# Altium PCB Pleiades_PP.PcbDoc (part 6 of 15)
Units mil, origin at the board's own origin, x right, y up, seen from the top; angles counter-clockwise.
Board outline 12244.09 x 4515.28 mil, 12 copper layers (TOP, GND1, IN1, GND2, POW1, GND3, POW2, GND4, GND5, IN2, GND6, BOT), stack 63.546 mil thick; 1447 components, 738 nets, 4532 pads, 3316 vias.
Unrouted connection lines stored in the file: 499.
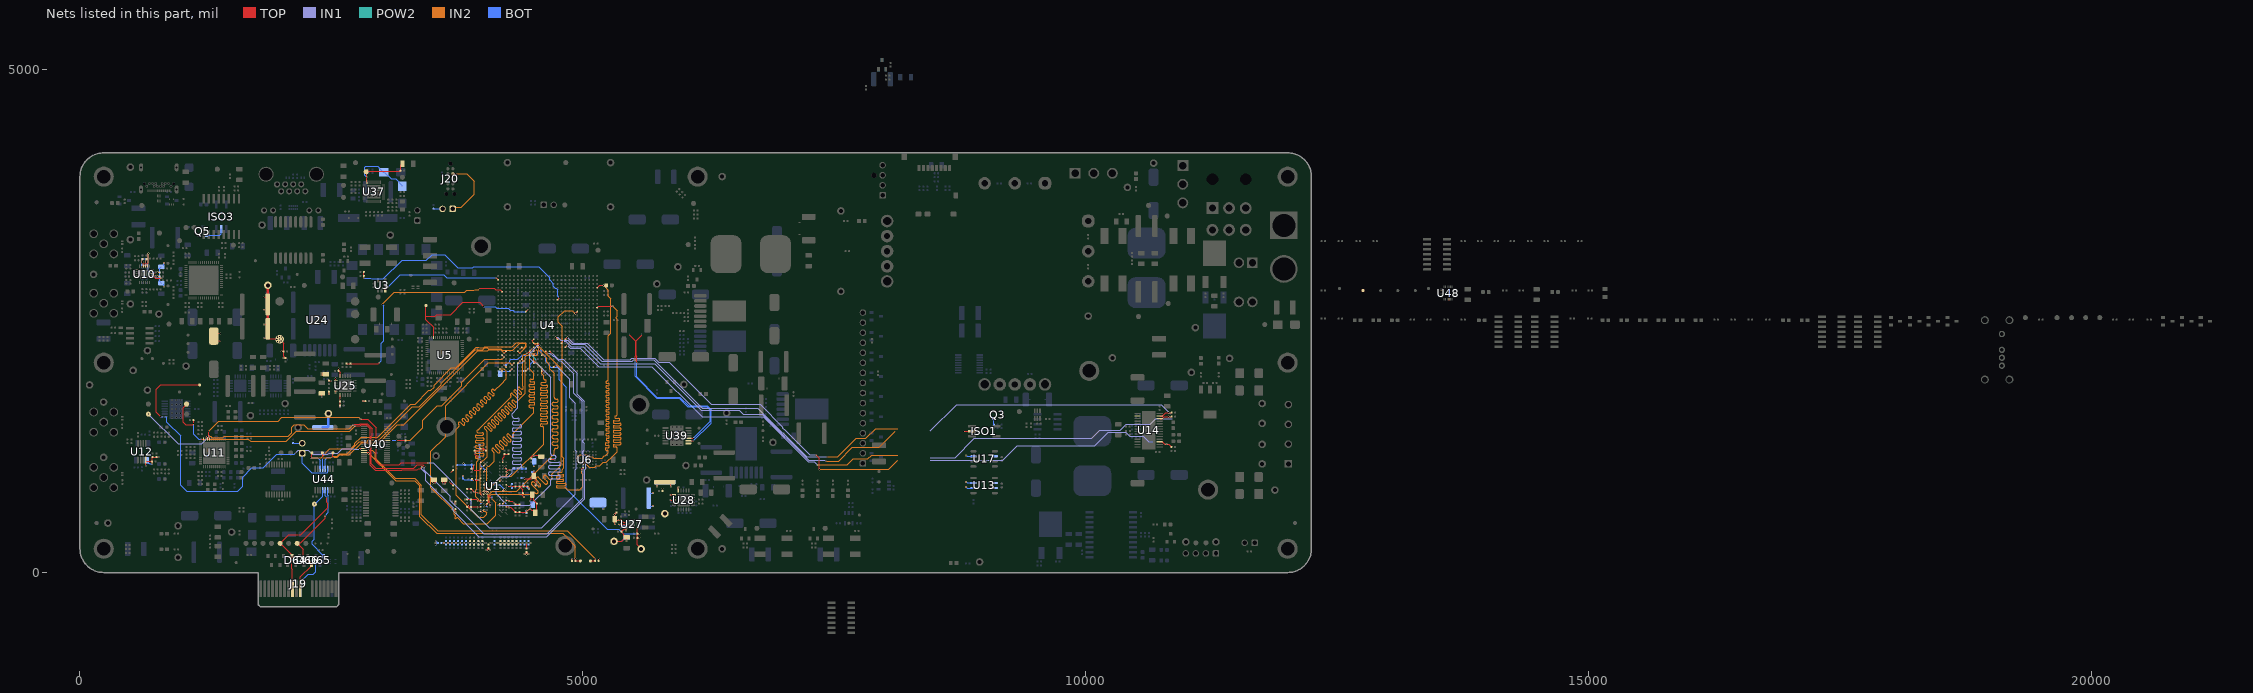
[diagram p16: the nets of this part, all layers, seen from the top]

## Via types
v1: diameter 12/18/18/18/18/18/18/18/18/18/18/12 (per signal layer), hole 6, TOP to BOT, 2739 vias
v2: diameter 20, hole 10, TOP to BOT, 363 vias
v3: diameter 19.68, hole 7.87, TOP to BOT, 110 vias
v4: diameter 40, hole 20, TOP to BOT, 36 vias
v5: diameter 25, hole 12, TOP to BOT, 32 vias
v6: diameter 22, hole 12, TOP to BOT, 27 vias
v7: diameter 19.68, hole 11.81, TOP to BOT, 9 vias

## Nets (pads, with @x,y where several pads share a name; then routed paths per layer and width w, separated by ;. In a path a pad name is that pad's centre, name@x,y a point inside that pad or via, vN(x,y) a via of type N, cw(c..) or ccw(c..) an arc to the next point about the centre after c; other vN are vias at no path point) (continued)
+VDDR: C5.1 C6.1 C7.1 C8.1 C9.1 C10.1 C11.1 C12.1 C13.1 C14.1 C15.1 C16.1 C17.1 C18.1 C19.1 C20.1 C21.1 C22.1 C23.1 C24.1 C25.1 C26.1 C27.1 C28.1 C29.1 C30.1 C31.1 C32.1 C33.1 C34.1 C35.1 C36.1 C37.1 C38.1 C39.1 C40.1 C41.1 C42.1 C43.1 C44.1 C45.1 C46.1 C47.1 C48.1 C49.1 C50.1 C51.1 C52.1 C53.1 C54.1 C55.1 C56.1 C57.1 C58.1 C59.1 C60.1 C61.1 C62.1 C63.1 C64.1 C65.1 C66.1 C87.2 C89.2 C90.2 C143.1 C144.1 C145.1 C146.1 C441.1 C442.1 C451.1 C452.1 C453.1 C454.1 R229.1 R321.1 TP92.1 U1.A1 U1.A8 U1.B2 U1.C1 U1.C9 U1.D2 U1.D9 U1.E9 U1.F1 U1.G7 U1.H2 U1.H9 U1.K2 U1.K8 U1.N1 U1.N9 U1.R1 U1.R9 U4.D2 U4.F4 U4.H2 U4.J6 U4.K4 U4.M2 U27.2 U28.1 U28.3 U28.20 | length 6065.8
  TOP w8.89: v1(3924.2,1188.78) 3924.79,1188.18 3924.79,1176.22 v1(3984.25,1116.76) U1.A1@3984.25,1094.49 ; v1(3956.22,788.46) 3963.03,795.28 v1@3998.56,795.28 ; v1@3956.31,647.01 3962.85,653.54 U1.R1@3984.25,653.54 ; v1@3956.31,710 3962.85,716.54 U1.N1@3984.25,716.54 ; v1(3968.5,921.26) U1.F1@3984.25,937.01 ; v1(4000,795.28) U1.K2@4015.75,811.02 ; U1.H2@4015.75,874.02 v1(4031.5,889.76) ; U1.D2@4015.75,1000 v1(4031.5,1015.75) ; U1.B2@4015.75,1062.99 v1(4031.5,1078.74) ; v1(4040,225) 4040.59,225.59 4043.09,225.59 C89.2@4060,242.5 4060.3,242.5 4077.21,225.59 4079.41,225.59 v1(4080,225) ; U1.G7@4173.23,905.51 v1(4188.98,921.26) ; U1.K8@4204.72,811.02 v1(4220.47,826.77) ; U1.A8@4204.72,1094.49 v1(4204.72,1116.76) ; v1(4220.47,1047.24) U1.C9@4236.22,1031.5 ; U1.R9@4236.22,653.54 4257.62,653.54 v1@4264.16,647.01 ; U1.N9@4236.22,716.54 4257.62,716.54 4264.16,710 v1(4265,710) 4297.5,710 v1(4314.09,693.41) ; U1.H9@4236.22,874.02 v1(4251.97,858.27) 4285.2,858.27 4286.93,860 v1(4287.78,860) 4288.62,860 4291.12,857.5 C21.1@4330,857.5 ; U1.E9@4236.22,968.5 v1(4251.97,984.25) ; U1.D9@4236.22,1000 4256.22,1020 v1(4280,1020) ; v1(4265,647.01) 4285.49,647.01 C29.1@4330,602.5 4332.5,600 4437.5,600 C31.1@4440,597.5 ; U4.D2@4275.59,2003.94 v1(4295.28,2023.62) ; U4.F4@4354.33,2082.68 v1(4374.02,2102.36) ; U4.H2@4433.07,2003.94 v1(4452.76,2023.62) ; U4.J6@4474.53,2161.42 v1(4494.22,2181.1) ; U4.K4@4511.81,2082.68 v1(4531.5,2102.36) ; U4.M2@4590.55,2003.94 v1(4610.24,1984.25)
  TOP w10: v1(3506.58,884.68) C59.1@3506.58,907.18 ; v1(3532.79,882.18) C59.1@3532.79,904.68 ; v1(3608.33,882.5) C25.1@3608.33,905 ; v1(3625,880) 3625,880.54 3629.33,884.87 3629.33,904.07 3629.94,904.68 C25.1@3640,904.68 ; v1(3682.5,902.95) 3682.88,902.56 3682.88,894.62 C26.1@3710,867.5 ; v1(3686.04,1001.58) 3686.43,1001.96 3694.46,1001.96 C58.1@3710,1017.5 ; C24.1@3732.5,630 3732.5,605 v1(3740,597.5) ; v1(3732.5,682.5) C10.1@3732.5,705 ; v1(3827.5,727.5) C9.1@3850,727.5 C8.1@3890,727.5 3937.97,727.5 v1(3955.47,710) ; C27.1@3850,832.5 C28.1@3890,832.5 3922.12,800.38 3922.74,800.38 v1(3923.12,800) 3944.14,800 3955.68,788.46 v1(3956.22,788.46) ; v1(3871.09,668.6) 3870.71,668.21 3865.71,668.21 C23.1@3850,652.5 C22.1@3890,652.5 3949.44,652.5 3954.93,647.01 v1(3955.47,647.01) ; C55.1@3895,1032.5 v1(3910.91,1016.59) ; C50.1@3895.52,931.05 3908.64,917.93 3920.54,917.93 v1(3920.92,917.55) ; v1(3917.5,1072.5) 3917.5,1023.72 3910.91,1017.13 v1(3910.91,1016.59) ; v1@3920.92,916.62 3921.84,917.55 3964.25,917.55 3967.96,921.26 v1(3968.5,921.26) ; v1(3924.2,1188.78) C5.1@3924.2,1211.28 3958.78,1211.28 C36.1@3980,1232.5 4015,1232.5 C39.1@4035,1212.5 ; v1(4000,1047.24) 3969.35,1016.59 v1(3910.91,1016.59) ; v1(4060,220) C89.2@4060,242.5 ; v1(4204.72,1116.76) 4205.11,1117.14 4205.11,1137.61 4220,1152.5 C48.1@4220,1177.5 C49.1@4260,1177.5 ; v1(4314.09,693.41) C15.1@4330,677.5 C16.1@4369.42,677.5 ; C21.1@4330,857.5 C20.1@4370,857.5 ; v1(4414.17,751.6) 4414.17,752.14 4402.5,763.8 C17.1@4402.5,790 4402.5,825 C20.1@4370,857.5 ; v1(4417.57,934.36) 4417.95,934.74 4495.04,934.74 C11.1@4512,951.71 ; v1(4420,185) 4420.38,185.38 4422.88,185.38 C90.2@4440,202.5 ; v1(4440,180) C90.2@4440,202.5 ; C31.1@4440,597.5 v1(4440,620) 4440.38,620.38 4459.08,620.38 v1(4474.74,636.04) 4474.99,636.04 4489.71,621.32 4510.04,621.32 4527,604.35 C18.1@4527,595 4540.5,608.5 4540.5,683 C19.1@4542.5,685 4510.22,717.28 4510.22,761.78 C45.1@4497,775 4485.5,763.5 4485.5,726.26 4473.19,713.95 v1(4473.19,713.41) ; v1(4460,185) 4459.62,185.38 4457.12,185.38 C90.2@4440,202.5 ; v1(4465.46,830.51) 4465.46,831.05 4466.43,832.02 4466.43,841.07 C65.1@4450,857.5 C64.1@4410,857.5 C20.1@4370,857.5 ; C47.1@4490,1132.5 4490,1153.78 4499.61,1163.39 4514.87,1163.39 v1(4515.26,1163.77) 4574.23,1163.77 C46.1@4585,1153 ; C11.1@4512,960 C11.1@4512,951.71 ; C11.1@4517.46,987.01 v1(4517.46,1009.51) ; C44.1@4527.5,865 4532.5,870 4532.5,884.08 4542.5,894.08 v1(4542.5,894.62) 4524.66,912.46 4524.66,939.05 C11.1@4512,951.71 ; C66.1@4680,1127.5 4711.56,1127.5 4719.51,1119.55 v1(4720.05,1119.55) ; R321.1@4891.52,115 v1(4891.52,137.5) ; C441.1@5315.26,555.77 v1(5315.26,578.27) v1(5315.26,578.27) 5335.12,598.2 R229.1@5335.12,598.27 ; v1(5318.12,480.77) C441.1@5318.12,503.27 ; C441.1@5318.12,530.77 5328.12,520.77 v1(5357.62,520.77) C442.1@5380.12,520.77 5400.43,500.45 U27.2@5430,500.45 ; v1(5737.95,855.81) 5737.95,881.12 5754.98,898.14 C452.1@5815,898.14 5857.98,898.14 5875,881.12 v1(5875,855.81) ; C454.1@5792.5,810.14 v1(5792.5,832.64) ; v1(5868.19,720.65) U28.3@5890.69,720.65 ; v1(5868.19,771.83) U28.1@5890.69,771.83 ; U28.20@5950,827.24 v1(5950,849.74)
  POW2 w8.89: v1(4494.22,2181.1) 4494.22,2160 4531.5,2122.72 v1(4531.5,2102.36)
  BOT w8.89: v1(3984.25,1116.76) 3984.25,1094.27 3983.55,1093.57 3983.55,1063.69 v1(4000,1047.24) ; C57.1@4017.63,872.37 4017.63,875.05 4031.5,888.92 v1(4031.5,889.76) ; v1(4031.5,1015.75) v1(4000,1047.24) ; v1(4031.5,1078.74) v1(4000,1047.24) ; C34.1@4107.59,887.41 4107.79,887.41 4120.21,875 4172.24,875 v1(4220.47,826.77) ; C144.1@4178,1975 4178,1983.22 4195.47,2000.7 4272.35,2000.7 v1(4295.28,2023.62) ; C146.1@4411.2,2003.94 4433.07,2003.94 v1(4452.76,2023.62) 4475.68,2046.55 4475.68,2069.8 4508.24,2102.36 v1(4531.5,2102.36) ; C145.1@4472.44,2183.29 4474.03,2181.7 4493.62,2181.7 v1(4494.22,2181.1)
  BOT w10: v1(3535,295) C87.2@3557.5,295 ; v1(3537.5,277.5) 3537.88,277.88 3540.38,277.88 C87.2@3557.5,295 ; v1(3537.5,312.5) 3537.88,312.12 3540.38,312.12 C87.2@3557.5,295 ; C38.1@3750,1067.5 3752.5,1070 C53.1@3827.5,1070 ; v1(3807.5,959.51) C52.1@3807.5,937.01 3822.01,922.5 C51.1@3895,922.5 3899.57,917.93 3920.54,917.93 v1(3920.92,917.55) ; v1(3814.09,1083.41) C53.1@3827.5,1070 ; C53.1@3830,1067.5 C53.1@3827.5,1070 ; v1(3910.91,1016.59) C54.1@3895,1032.5 C37.1@3895,1072.5 ; v1(3917.5,1072.5) C37.1@3895,1072.5 ; v1@3920.92,918.17 3921.16,917.93 3935.43,917.93 C56.1@3940,922.5 ; v1(3972.5,1127.5) C41.1@3972.5,1150 C40.1@3972.5,1190 C7.1@3972.5,1230 C6.1@3972.5,1270 ; C43.1@4297.5,840 4292.5,845 4292.5,854.73 4287.78,859.46 v1(4287.78,860) 4288.16,860.38 4288.16,870.66 C42.1@4297.5,880 ; C14.1@4315,1032.5 C13.1@4355,1032.5 C63.1@4395,1032.5 ; C12.1@4387.5,940 4411.39,940 4417.03,934.36 v1(4417.57,934.36) ; C35.1@4407.5,880 4456.61,830.89 4465.08,830.89 v1(4465.46,830.51) ; v1(4410.91,1048.41) C63.1@4395,1032.5 ; C62.1@4435,1032.5 C63.1@4395,1032.5 ; C33.1@4437.5,590 4439.62,592.12 4439.62,619.62 v1(4440,620) 4458.7,620 v1@4474.35,635.66 ; v1(4473.19,713.41) C32.1@4489.1,697.5 ; v1(4474.74,636.04) C32.1@4490.65,651.95 ; C61.1@4495,997.5 4500,1002.5 4509.9,1002.5 4516.92,1009.51 v1(4517.46,1009.51) ; v1(4513.62,1057.24) 4514,1057.63 4514,1074.3 C60.1@4514.98,1075.29 ; v1(5101.75,629.45) C143.1@5101.75,651.95 ; v1(5205,631.04) C143.1@5205,653.54 ; C453.1@5675,660.14 v1(5697.5,660.14) ; C453.1@5675,790 v1(5697.5,790) ; v1(5737.95,855.81) C451.1@5737.95,878.31 ; v1(5875,855.81) C451.1@5875,878.31 ; C53.1@3827.5,1070 3892.5,1070 C37.1@3895,1072.5
+VDDR_VOLT_25: R321.2 TP128.1 U40.14 | length 2867.2
  TOP w10: U40.14@2822.28,1195.24 2822.78,1194.74 2859.72,1194.74 2869.46,1185 v1(2870,1185) ; v1(4926.52,137.5) R321.2@4926.52,115 TP128.1@4975,115
  IN2 w5: v1(2870,1185) 3140,915 3327.34,915 3380.49,861.85 3380.49,554.51 3545,390 4800,390 4926.52,263.48 v1(4926.52,137.5)
+VREF_DDR: C149.1 C430.1 C431.1 TP87.1 U4.C3 U4.L8 U27.6 | length 3217.5
  TOP w8.89: v1(4216.54,2062.99) U4.C3@4236.22,2043.31 ; U4.L8@4551.18,2240.16 v1(4570.87,2220.47)
  TOP w10: U27.6@5540.24,441.4 5540.24,274.9 TP87.1@5580,235.14 ; C430.1@5542.62,345.77 v1(5565.12,345.77) ; C431.1@5542.62,385.77 v1(5565.12,385.77)
  BOT w8.89: v1(4216.54,2062.99) 4217.13,2063.59 4234.63,2063.59 C149.1@4236.22,2065.18 4254.19,2083.14 4259.94,2083.14 4272.35,2095.55 4272.35,2107.35 4285,2120 4355,2120 4396.29,2161.29 4534.95,2161.29 4554.29,2180.64 4554.29,2203.9 v1(4570.87,2220.47) 4587.44,2203.9 4587.44,2180.64 4603.42,2164.66 4610.57,2164.66 4633.16,2142.06 4633.16,2102.69 4666.05,2069.8 4666.05,2053.95 4679.93,2040.07 4744.93,2040.07 4765,2020 4765,1915 4836.05,1843.95 4836.05,833.58 5240.03,429.6 5350.53,429.6 5350.81,429.32 5355.68,429.32 5399.77,385.23 5564.58,385.23 v1(5565.12,385.77)
+VTT: C67.1 C68.1 C69.1 C70.1 C71.1 C72.1 C73.1 C74.1 C75.1 C76.1 C77.1 C78.1 C79.1 C80.1 C81.1 C82.1 C83.1 C84.1 C85.1 C86.1 C87.1 C88.1 C89.1 C90.1 C91.1 C92.1 C93.2 C94.1 C95.1 C96.1 C97.1 C98.1 C446.1 C447.1 C448.1 C449.1 C450.1 R15.2 R16.2 R17.2 R18.2 R19.2 R20.2 R21.2 R22.2 R23.2 R24.2 R25.2 R26.2 R27.2 R28.2 R29.2 R30.2 R31.2 R32.2 R34.2 R35.2 R36.2 R38.2 R39.2 R40.2 R41.2 R43.2 R44.2 R322.1 TP90.1 U27.3 U27.5 | length 713.4
  TOP w10: C90.1@4440,237.5 v1(4440,295) ; R322.1@5157.5,115 v1(5157.5,137.5) ; TP90.1@5310,310 5386.35,310 5425.12,348.77 C448.1@5425.39,348.77 ; v1(5357.62,480.77) C450.1@5380.12,480.77 U27.3@5430,480.77 ; v1(5430,418.9) U27.5@5430,441.4 5423.46,441.4 5408.01,425.95 5402.8,425.95 C449.1@5382.62,405.77 5408.43,379.96 5408.43,365.73 C448.1@5425.39,348.77 ; v1(5435,312.5) C448.1@5435,335 ; C448.1@5435.12,348.77 C448.1@5425.39,348.77
  BOT w10: TP90.1@5310,310 5387.54,310 5408.43,330.89 5408.43,331.81 5425.39,348.77 C447.1@5435.12,348.77 5435,348.65 v1(5435,312.5) ; v1(5357.62,480.77) 5358.16,480.77 5363.12,475.81 5397.08,475.81 C446.1@5410.12,462.77
  other v1: 3620,295 3660,295 3700,295 3740,295 3780,295 3820,295 3860,295 3900,295 3940,295 3980,295 4020,295 4040,295 4080,295 4100,295 4140,295 4160,295 4200,295 4240,295 4280,295 4320,295 4360,295 4400,295 4480,295
+VTT_VOLT_25: R322.2 TP129.1 U40.13 | length 3018.6
  TOP w10: U40.13@2822.28,1214.93 v1(2866.37,1214.93) ; TP129.1@5075,115 R322.2@5122.5,115 v1(5122.5,137.5)
  IN2 w5: v1(2866.37,1214.93) 2905.07,1214.93 2935,1185 2935,1135 3135,935 3330,935 3395,870 3395,575 3555,415 4845,415 v1(5122.5,137.5)
-5V0A: C247.1 C248.1 C249.1 C250.1 C251.1 C252.1 C253.1 C263.1 C264.1 C265.1 C266.1 C267.1 C268.1 C269.1 C335.1 C336.1 C337.1 C338.1 C412.1 C425.1 C426.1 C427.1 C428.1 R218.1 TP85.1 U10.15 U10.16 U10.21 U10.22 U12.4 U25.1 U25.20 | length 1648
  TOP w10: C251.1@620,3117.5 v1(620,3095) v1(620,3080) 620,3079.46 629.09,3070.36 629.09,3046.77 U10.22@630.16,3045.71 ; U10.21@649.84,3045.71 650.91,3046.77 650.91,3070.36 660,3079.46 v1(660,3080) v1(660,3095) C250.1@660,3117.5 ; U12.4@653.39,1118.31 653.39,1107.66 656.04,1105 C338.1@717.5,1105 ; v1(655,1062.5) U12.4@655,1085 ; v1(717.5,1082.5) C338.1@717.5,1105 ; U10.15@720.71,2955.16 721.77,2954.09 745.36,2954.09 754.46,2945 v1(755,2945) v1(770,2945) C266.1@792.5,2945 ; U10.16@720.71,2974.84 721.77,2975.91 745.36,2975.91 754.46,2985 v1(755,2985) v1(770,2985) C267.1@792.5,2985 ; v1(782.5,1147.5) C336.1@760,1147.5 C337.1@720,1147.5 718.75,1146.25 718.75,1106.25 C338.1@717.5,1105 ; v1(2403.49,1744.91) C426.1@2403.49,1767.41 ; v1(2475,1775) C427.1@2475,1797.5 ; v1(2542.02,1783.74) U25.20@2542.02,1806.24 ; U25.1@2585.33,1762.93 2585.33,1725.21 2587.5,1723.04 v1(2587.5,1722.5) C428.1@2587.5,1700 C412.1@2587.5,1660 v1(2587.5,1637.5)
  BOT w10: v1(655,1062.5) 655,1107 C335.1@663,1115 663,1105.27 679.96,1088.31 689.69,1088.31 695.5,1082.5 v1(717.5,1082.5) ; C263.1@810,2878 809.46,2878 792.5,2894.96 C264.1@792.5,2945 ; C247.1@810,3042 809.46,3042 792.5,3025.04 C265.1@792.5,2985 ; v1(835,2842.5) C263.1@835,2865 ; C247.1@835,3055 v1(835,3077.5) ; v1(2587.5,1637.5) R218.1@2587.5,1660 ; C264.1@792.5,2945 C265.1@792.5,2985 ; C264.1@792.5,2945 v1(770,2945) v1(755,2945) C268.1@732.5,2945 C269.1@732.5,2985 v1(755,2985) v1(770,2985) C265.1@792.5,2985 ; C253.1@620,3057.5 C252.1@660,3057.5 v1(660,3080) v1(660,3095) C249.1@660,3117.5 C248.1@620,3117.5 v1(620,3095) v1(620,3080) C253.1@620,3057.5
  BOT w25: C425.1@2415,1442 2460,1442 2470,1452 TP85.1@2470,1580
-5V0A_EN: R217.2 R219.1 U4.B22 | length 2204
  TOP w6: v1(3970,2816.5) 3971.62,2816.5 3980.12,2825 4120,2825 4135,2810 4178.19,2810 U4.B22@4196.85,2791.34
  TOP w10: R217.2@2650,2077.5 2966.96,2077.5 2974.46,2085 v1(2975,2085)
  IN2 w6: v1(3005,2665) 3125,2785 3825,2785 3845.53,2805.53 3914.7,2805.53 3922.68,2813.5 3967,2813.5 v1(3970,2816.5)
  BOT w6: v1(2975,2085) 2996.04,2106.04 2996.04,2281.35 3018.8,2304.11 3018.8,2651.2 v1(3005,2665)
-6V: C417.1 C418.1 C419.1 C420.1 C421.1 C422.1 C423.1 C424.1 R318.2 TP83.1 U24.5 U25.15 U25.16 | length 1226.1
  TOP w10: C417.1@1372.5,2305 v1(1395,2305) ; C417.1@1372.5,2377.41 v1(1395,2377.41) ; v1(1827.27,2736.26) C418.1@1849.77,2736.26 ; v1(1830.99,2335) C419.1@1853.49,2335 ; v1(1830.99,2467.41) C419.1@1853.49,2467.41 ; v1(1830.99,2612.25) C418.1@1853.49,2612.25 ; C419.1@1867,2425 1867,2343.9 1884.02,2326.88 1978.13,2326.88 v1(1985,2320) 1985,2318.68 2025,2278.68 C421.1@2025,2200 ; v1(2002.5,2200) C421.1@2025,2200 ; v1(2022.5,2132.5) C420.1@2045,2132.5 2025,2152.5 C421.1@2025,2200 ; v1(2400.99,1964.91) C422.1@2423.49,1964.91 ; v1(2400.99,1982.41) C422.1@2423.49,1982.41 ; C424.1@2475,1907.5 v1(2497.5,1907.5) ; U25.16@2542.02,1908.6 v1(2542.02,1931.1) ; C423.1@2572.5,2005 v1(2572.5,2027.5) ; v1(2814.5,1705) R318.2@2837,1705
  TOP w12: C423.1@2572.5,2005 2585.33,1992.17 U25.15@2585.33,1951.91
  TOP w25: C419.1@1867,2425 C418.1@1867,2665 1867.44,2665.44 1867.44,2855.56 TP83.1@1867.87,2856
  other v1: 1985,2290.4 1965,2298.68 2001.56,2303.44 1956.72,2318.68 2013.28,2320 1965,2339.34 2005,2340 1985,2348.28
-6V0_CURR_25: TP125.1 U39.8 U40.12 | length 3628.9
  TOP w10: v1(802.5,1550) 760,1592.5 760,1820 805,1865 TP125.1@1190,1865 ; v1(2780,1225) 2780.54,1225 2789.65,1234.11 2821.78,1234.11 U40.12@2822.28,1234.61
  IN1 w5: v1(2145,1190) 2170.5,1215.5 2272,1215.5 2312.5,1175 2465.55,1175 2476.52,1185.98 2563.58,1185.98 2606.84,1229.24 2720.24,1229.24 2724.48,1225 v1(2780,1225)
  BOT w10: v1(802.5,1550) 825,1550 ; 842.63,1550.23 861.03,1550.23 864.03,1547.23 864.03,1495.97 1000,1360 1000,870 1060.5,809.5 1347.04,809.5 1348.54,808 1567.14,808 1618.57,859.43 1618.57,948.57 1710,1040 1823.75,1040 1958.75,1175 2130,1175 v1(2145,1190)
-6V_EN: R214.2 R215.1 U4.T20 | length 2388.9
  TOP w8.89: U4.T20@4748.03,2712.6 v1(4767.72,2732.28)
  TOP w10: v1(2822.5,2927.5) R214.2@2822.5,2950 R215.1@2822.5,2990
  BOT w10: v1(2822.5,2927.5) 2893.04,2927.5 2900.04,2920.5 3017.77,2920.5 3202.27,3105 3444.03,3105 3500.12,3161.09 3626.45,3161.09 3757.54,3030 3903.46,3030 3912.96,3039.5 4563.28,3039.5 4670,2932.78 4670,2908.74 4705.98,2872.76 4705.98,2848.72 4726.67,2828.02 4735.39,2828.02 4750.72,2812.7 4750.72,2749.28 v1(4767.72,2732.28)
-6V_SHUNT_19_+: NT43.2 U39.9 | length 1721.4
  TOP w5: v1(5536.97,2088.03) 5536.97,2149.53 5531.5,2155 5531.5,2304.54 5586,2359.04 5586,2361.54
  TOP w10: U39.9@6077.31,1308.82 v1(6099.81,1308.82)
  BOT w5: v1(5536.97,2088.03) 5536.97,1944.34 5736.31,1745 5965,1745 6052.5,1657.5 6237.5,1657.5 6275.93,1619.07 6275.93,1484.94 v1(6099.81,1308.82)
-6V_SHUNT_19_-: NT42.2 U39.10 | length 1696.7
  TOP w5: 5466,2361.54 5466,2359.04 5523.5,2301.54 5523.5,2155 5520,2151.5 v1(5520,2105)
  TOP w10: U39.10@6077.31,1334.41 v1(6099.81,1334.41)
  BOT w5: v1(5520,2105) 5520,1950 5735,1735 5960,1735 6045,1650 6048.69,1650 6049.19,1649.5 6234.19,1649.5 6267.93,1615.76 6267.93,1502.53 v1(6099.81,1334.41)
\CAS: NT8.2 U1.K3 U4.K6 | length 2899.4
  TOP w8.89: v1(4031.5,795.28) U1.K3@4047.24,811.02 NT8.2@4058.27,800 ; U4.K6@4511.81,2161.42 v1(4531.5,2181.1)
  IN2 w5.75: v1(4031.5,795.28) 4031.5,872.97 4043.37,884.84 4043.37,1044.42 4058.07,1059.12 4069.12,1059.12 4117.02,1107.01 4117.02,1181.29 4117.02,1185.36 ccw(c4095.03,1185.36) 4110.53,1200.94 4098.2,1213.28 cw(c4107.31,1222.38) 4098.2,1231.49 cw(c4107.31,1222.38) 4116.41,1231.49 4154.77,1193.13 ccw(c4163.88,1202.24) 4172.98,1193.13 ccw(c4163.88,1202.24) 4172.98,1211.34 4134.62,1249.7 cw(c4143.73,1258.8) 4134.62,1267.91 cw(c4143.73,1258.8) 4152.84,1267.91 4191.19,1229.55 ccw(c4200.3,1238.66) 4209.4,1229.55 ccw(c4200.3,1238.66) 4209.4,1247.76 4171.05,1286.12 cw(c4180.15,1295.23) 4171.05,1304.33 cw(c4180.15,1295.23) 4189.26,1304.33 4227.62,1265.97 ccw(c4236.72,1275.08) 4245.83,1265.97 ccw(c4236.72,1275.08) 4245.83,1284.19 4207.47,1322.54 cw(c4216.58,1331.65) 4207.47,1340.75 cw(c4216.58,1331.65) 4225.68,1340.75 4264.04,1302.4 ccw(c4273.14,1311.5) 4282.25,1302.4 ccw(c4273.14,1311.5) 4282.25,1320.61 4246.98,1355.88 cw(c4256.09,1364.98) 4246.98,1374.09 cw(c4256.09,1364.98) 4265.19,1374.09 4290.39,1348.89 ccw(c4299.49,1358) 4308.6,1348.89 ccw(c4299.49,1358) 4308.6,1367.1 cw(c4317.7,1376.21) 4308.6,1385.31 4457.79,1534.51 4513.62,1590.33 4513.62,1624.48 4513.62,1627.36 ccw(c4500.74,1627.36) 4500.74,1640.24 4476.79,1640.24 cw(c4476.79,1653.11) 4476.79,1665.99 4510.26,1665.99 ccw(c4510.26,1678.87) 4510.26,1691.75 4476.79,1691.75 cw(c4476.79,1704.62) 4476.79,1717.5 4510.26,1717.5 ccw(c4510.26,1730.38) 4510.26,1743.25 4476.79,1743.25 cw(c4476.79,1756.13) 4476.79,1769.01 4510.26,1769.01 ccw(c4510.26,1781.89) 4510.26,1794.76 4476.79,1794.76 cw(c4476.79,1807.64) 4476.79,1820.52 4510.26,1820.52 ccw(c4510.26,1833.4) 4510.26,1846.27 4476.79,1846.27 cw(c4476.79,1859.15) 4476.79,1872.03 4510.26,1872.03 ccw(c4510.26,1884.91) 4510.26,1897.78 4484.59,1897.78 cw(c4484.59,1910.66) 4484.59,1923.54 4500.74,1923.54 ccw(c4500.74,1936.41) 4513.62,1936.41 4513.62,1975.08 4513.62,1981.38 4474.25,2020.75 4474.25,2145.77 4491.71,2163.23 4501.62,2163.23 4517.55,2179.16 4529.55,2179.16 v1(4531.5,2181.1)
\CE: R63.2 U4.AF23 U6.B4 | length 2896.1
  TOP w5.95: U6.B4@4940.51,1137.99 v1(4956.26,1153.74)
  TOP w8.89: U4.AF23@5141.73,2830.71 5166.02,2855 R63.2@5231.46,2855
  IN2 w3.68: v1(4956.26,1153.74) 4973.1,1170.58 5039.42,1170.58 5060,1150 5095,1150 5108.1,1136.9 5190.88,1136.9 5212.89,1158.91 5221.24,1158.91 5253.16,1190.83 5253.16,1204.1 5253.16,1205.94 ccw(c5241.32,1205.94) 5241.32,1217.77 5232.42,1217.77 cw(c5232.42,1229.61) 5232.42,1241.45 5251.48,1241.45 ccw(c5251.48,1253.29) 5251.48,1265.13 5232.42,1265.13 cw(c5232.42,1276.97) 5232.42,1288.8 5249.81,1288.8 ccw(c5249.81,1300.64) 5249.81,1312.48 5242.22,1312.48 cw(c5242.22,1324.32) 5242.22,1336.16 5251.48,1336.16 ccw(c5251.48,1348) 5251.48,1359.84 5240.55,1359.84 cw(c5240.55,1371.67) 5240.55,1383.51 5251.48,1383.51 ccw(c5251.48,1395.35) 5251.48,1407.19 5240.84,1407.19 cw(c5240.84,1419.03) 5240.84,1430.87 5251.48,1430.87 ccw(c5251.48,1442.71) 5251.48,1454.54 5240.55,1454.54 cw(c5240.55,1466.38) 5240.55,1478.22 5250.02,1478.22 ccw(c5250.02,1490.06) 5250.02,1501.9 5240.55,1501.9 cw(c5240.55,1513.74) 5240.55,1525.57 5251.48,1525.57 ccw(c5251.48,1537.41) 5251.48,1549.25 5240.55,1549.25 cw(c5240.55,1561.09) 5240.55,1572.93 5251.48,1572.93 ccw(c5251.48,1584.77) 5251.48,1596.61 5240.55,1596.61 cw(c5240.55,1608.44) 5240.55,1620.28 5250.02,1620.28 ccw(c5250.02,1632.12) 5250.02,1643.96 5240.55,1643.96 cw(c5240.55,1655.8) 5240.55,1667.64 5251.48,1667.64 ccw(c5251.48,1679.48) 5251.48,1691.31 5240.55,1691.31 cw(c5240.55,1703.15) 5240.55,1714.99 5251.48,1714.99 ccw(c5251.48,1726.83) 5251.48,1738.67 5240.55,1738.67 cw(c5240.55,1750.51) 5240.55,1762.34 5251.48,1762.34 ccw(c5251.48,1774.18) 5251.48,1786.02 5240.55,1786.02 cw(c5240.55,1797.86) 5240.55,1809.7 5250.11,1809.7 ccw(c5250.11,1821.54) 5250.11,1833.38 5240.55,1833.38 cw(c5240.55,1845.21) 5240.55,1857.05 5251.48,1857.05 ccw(c5251.48,1868.89) 5251.48,1880.73 5240.55,1880.73 cw(c5240.55,1892.57) 5240.55,1904.41 5241.32,1904.41 ccw(c5241.32,1916.25) 5253.16,1916.25 5253.16,2201.93 5253.16,2353.16 5278.16,2378.16 5278.16,2722.17 5253.16,2747.17 5253.16,2808.59 v1(5206.76,2855)
\CEO: U4.AF18 U6.D2 | length 2899.4
  TOP w5.95: U6.D2@5003.5,1075 v1(5019.25,1090.75)
  TOP w8.89: U4.AF18@5141.73,2633.86 5157.87,2650 v1(5295,2650)
  IN2 w3.68: v1(5019.25,1090.75) 5062.73,1047.27 5119.45,1047.27 5132.18,1060 5169.5,1060 5204.5,1095 5235,1095 5300,1160 5340,1200 5340,1235 5340,1236.84 ccw(c5328.16,1236.84) 5328.16,1248.68 5311.84,1248.68 cw(c5311.84,1260.52) 5311.84,1272.35 5368.16,1272.35 ccw(c5368.16,1284.19) 5368.16,1296.03 5311.84,1296.03 cw(c5311.84,1307.87) 5311.84,1319.71 5368.16,1319.71 ccw(c5368.16,1331.55) 5368.16,1343.39 5311.84,1343.39 cw(c5311.84,1355.22) 5311.84,1367.06 5368.16,1367.06 ccw(c5368.16,1378.9) 5368.16,1390.74 5311.84,1390.74 cw(c5311.84,1402.58) 5311.84,1414.42 5368.16,1414.42 ccw(c5368.16,1426.26) 5368.16,1438.09 5311.84,1438.09 cw(c5311.84,1449.93) 5311.84,1461.77 5368.16,1461.77 ccw(c5368.16,1473.61) 5368.16,1485.45 5311.84,1485.45 cw(c5311.84,1497.29) 5311.84,1509.12 5354.96,1509.12 ccw(c5354.96,1520.96) 5354.96,1532.8 5328.16,1532.8 cw(c5328.16,1544.64) 5328.16,1556.48 ccw(c5328.16,1568.32) 5340,1568.32 5340,1610 5340,2518.06 5330.52,2527.54 5330.52,2537.46 5340,2546.94 5340,2605 v1(5295,2650)